# Altium PCB 电解模块主控板_V1.1_ZM_20210918.PcbDoc (part 1 of 2) (continued)
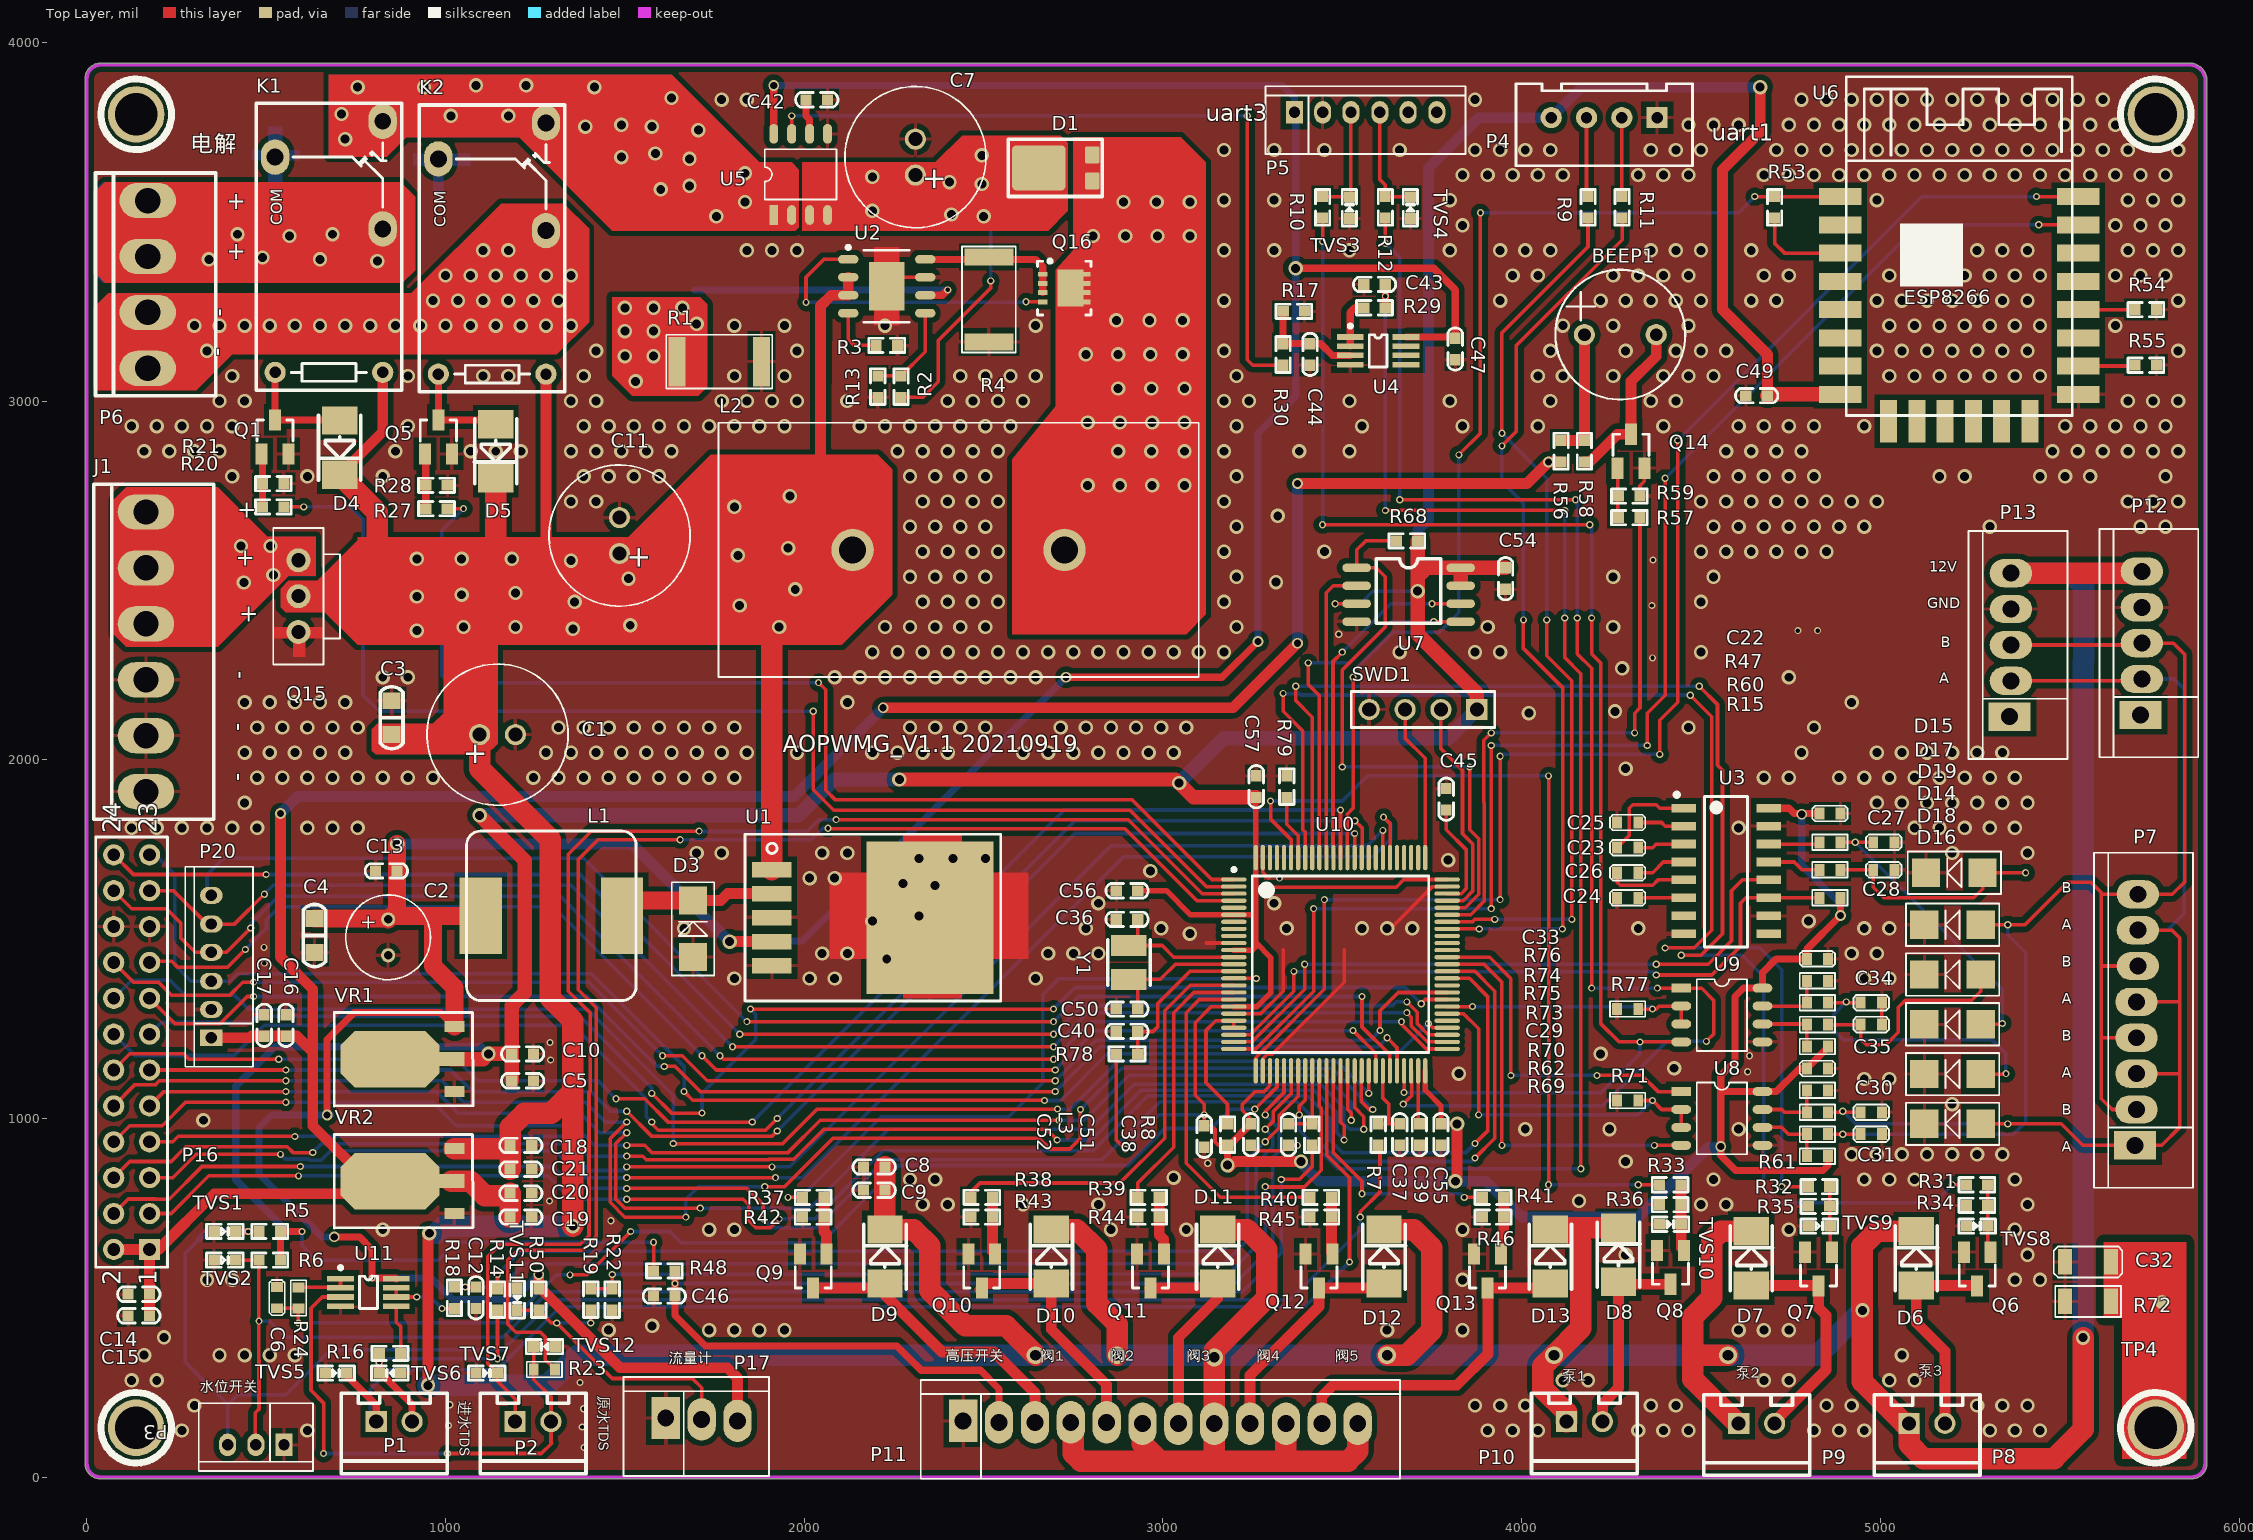
[diagram p0: Top Layer view]
## Footprints (in the part's own frame and the unit in brackets; to place one, negate y for a bottom-side part, rotate by r counter-clockwise, add the part's x,y. Pads: shape width x height; smd on the part's side, far side on the other; paste and mask are expansions set on the pad)
3X2.54MMZ2 [mm]
  rect 2x3 hole 1.2: 1(0,0)
  oval 2x3 hole 1.2: 2(2.54,-0.1) 3(5.08,-0.2)
  silkscreen extent -3,-4.1 7.31,2.9
3X2MMZ [mm]
  rect 1.2x1.6 hole 0.8: 1(0,0)
  oval 1.2x1.6 hole 0.8: 2(2,0) 3(4,0)
  silkscreen extent -2.05,-2.95 6.05,1.85
5X2.54MMZ [mm]
  rect 2x3 hole 1.2: 1(0,0)
  oval 2x3 hole 1.2: 2(2.54,-0.1) 3(5.08,-0.1) 4(7.62,-0.1) 5(10.16,-0.1)
  silkscreen extent -3,-4.1 13.16,2.9
6*8 [mm]
  round 1 hole 0.6: 1(1.27,0) 2(-1.27,0)
  silkscreen extent -3,-3 3,3
6X2MMZ [mm]
  rect 1.2x1.6 hole 0.8: 1(0,0)
  oval 1.2x1.6 hole 0.8: 2(2,0) 3(4,0) 4(6.05,0) 5(8.05,0) 6(10.08,0)
  silkscreen extent -2.05,-2.95 12.12,1.85
8X2.54MMZ [mm]
  rect 2x3 hole 1.2: 1(0,0)
  oval 2x3 hole 1.2: 2(2.54,-0.1) 3(5.08,-0.1) 4(7.62,-0.1) 5(10.16,-0.1) 6(12.7,-0.2) 7(15.24,-0.2) 8(17.78,-0.2)
  silkscreen extent -3,-4.1 20.73,2.9
10*16 [mm]
  round 1.5 hole 1: 1(1.27,0) 2(-1.27,0)
  silkscreen extent -5,-5 5,5
12X2.54MMZ [mm]
  rect 2x3 hole 1.2: 1(0,0)
  oval 2x3 hole 1.2: 2(2.54,-0.1) 3(5.08,-0.1) 4(7.62,-0.1) 5(10.16,-0.1) 6(12.7,-0.2) 7(15.24,-0.2) 8(17.78,-0.2) 9(20.32,-0.2) 10(22.86,-0.2) 11(25.4,-0.2) 12(27.94,-0.2)
  silkscreen extent -3,-4.1 30.99,2.9
0603C [mm]
  rect 0.7x0.85 smd: 1(0,0) 2(1.5,0)
  silkscreen extent -0.5,-0.55 2,0.55
0603R [mm]
  rect 0.7x0.85 smd: 1(0,0) 2(1.5,0)
  silkscreen extent -0.5,-0.55 2,0.55
1206C [mm]
  rect 1x1.8 smd: 1(0,0) 2(3.25,0)
  silkscreen extent -0.8,-1.1 4.05,1.1
1206r [mm]
  rect 1x1.8 smd: 1(0,0) 2(3.25,0)
  silkscreen extent -0.7,-1.1 3.95,1.1
2512R [mm]
  rect 1.2x3.5 smd: 1(0,0) 2(6,0)
  silkscreen extent -0.75,-1.9 6.75,1.9
2512r [mm]
  rect 1.2x3.5 smd: 1(0,0) 2(6,0)
  silkscreen extent -0.75,-1.9 6.75,1.9
BEEP-9.5X5.5 [mm]
  round 1.5 hole 0.9: 1(-2.54,0) 2(2.54,0)
  silkscreen extent -4.6,-4.6 4.6,4.6
CDRH-127 [mm]
  rect 3x5.4 smd: 1(-5,0) 2(5,0)
  silkscreen extent -6,-6 6,6, body extent -6,-6 6,6, height 8.2
DFN3*3-8 [mm]
  rect 0.35x0.65 smd: 1(0.975,-1.525) 2(-0.975,1.525) 2(-0.325,1.525) 2(0.325,1.525) 2(0.975,1.525) 3(-0.975,-1.525) 3(-0.325,-1.525) 3(0.325,-1.525)
  rect 2.6x1.84 smd: 2(0,0.45)
  silkscreen extent -2.03,-1.9 1.9,1.9, body extent -1.75,-1.75 1.75,1.75, height 0.8
DO-214-AC [mm]
  rect 2x2.5 smd: 1(-1.915,0) 2(1.915,0)
  silkscreen extent -2.3,-1.52 2.3,1.5, body extent -2.3,-1.35 2.3,1.35, height 2.4
ESP-12F [mm]
  rect 3x1.2 smd: 1(0.203,0) 2(0.203,-2) 3(0.203,-4) 4(0.203,-6) 5(0.203,-8) 6(0.203,-10) 7(0.203,-12) 8(0.203,-14) 15(17.069,-14) 16(17.069,-12) 17(17.069,-10) 18(17.069,-8) 19(17.069,-6) 20(17.069,-4) 21(17.069,-2) 22(17.069,0)
  rect 1.2x3 smd: 9(3.632,-15.9) 10(5.632,-15.9) 11(7.632,-15.9) 12(9.632,-15.9) 13(11.632,-15.9) 14(13.632,-15.9)
  silkscreen extent 0.63,-15.49 16.64,8.49
G5Q-14 [mm]
  oval 2.5x2 hole 1.2: 1(1.27,-3.81) 2(8.89,-3.81) 3(6.35,3.81)
  round 1.5 hole 0.8: 4(-8.89,3.81) 5(-8.89,-3.81)
  silkscreen extent -10.15,-5.15 10.17,5.15, body extent -9.9,-4.95 9.9,4.95, height 15.91
HDR2X12 [mm] "Connector; Header; 12x2 Position"
  rect 1.5x1.5 hole 0.9: 1(0,0)
  round 1.5 hole 0.9: 2(0,2.54) 3(2.54,0) 4(2.54,2.54) 5(5.08,0) 6(5.08,2.54) 7(7.62,0) 8(7.62,2.54) 9(10.16,0) 10(10.16,2.54) 11(12.7,0) 12(12.7,2.54) 13(15.24,0) 14(15.24,2.54) 15(17.78,0) 16(17.78,2.54) 17(20.32,0) 18(20.32,2.54) 19(22.86,0) 20(22.86,2.54) 21(25.4,0) 22(25.4,2.54) 23(27.94,0) 24(27.94,2.54)
  silkscreen extent -1.27,-1.27 29.21,3.81
INDUCTOR_34*18 [mm]
  round 3 hole 1.9: 1(0,0) 2(15,0)
  silkscreen extent -9.5,-9 24.5,9
MSOP-8 [mm]
  rect 1.9x0.4 smd: 1(-1.975,0.975) 2(-1.975,0.325) 3(-1.975,-0.325) 4(-1.975,-0.975) 5(1.975,-0.975) 6(1.975,-0.325) 7(1.975,0.325) 8(1.975,0.975)
  silkscreen extent -2.1,-1.14 0.64,1.87, body extent -2.45,-1.5 2.45,1.5, height 1.15
SIP-2A [mm]
  rect 1.5x1.5 hole 1: 1(-1.27,0)
  round 1.5 hole 1: 2(1.27,0)
  silkscreen extent -3.75,-3.68 3.75,2.02, body extent -3.7,-3.81 3.7,2.29, height 7.5
SIP-4 [mm]
  rect 1.5x1.5 hole 1: 1(-3.81,0)
  round 1.5 hole 1: 2(-1.27,0) 3(1.27,0) 4(3.81,0)
  silkscreen extent -5.08,-1.27 5.08,1.27
SMA [mm]
  rect 2x2 smd: 1(0,0) 2(4,0)
  silkscreen extent -1.3,-1.5 5.3,1.5
SMD-0603 [mil]
  rect 31.5x30 smd: 1(-30,0) 2(30,0)
  silkscreen extent -50,-20 50,20, body extent -31,-16 31,16, height 18
SMD-0603C [mil] "贴片电容"
  rect 31.5x30 smd: 1(-30,0) 2(30,0)
  silkscreen extent -59,-20 59,20, body extent -31,-16 31,16
SMD-0805C [mm]
  rect 1.2x1.27 smd: 1(-1.2,0) 2(1.2,0)
  silkscreen extent -2.2,-0.8 2.2,0.8, body extent -1.42,-0.67 1.58,0.73, height 0.93
SO-8 [mil]
  rect 55x25 smd: 1(0,0)
  oval 55x25 smd: 2(0,-50) 3(0,-100) 4(0,-150) 5(226.38,-150) 6(226.38,-100) 7(226.38,-50) 8(226.38,0)
  silkscreen extent 43,-175 183,25
SO-8W [mil]
  oval 80x24 smd: 1(0,0) 2(0,-50) 3(0,-100) 4(0,-150) 5(290,-150) 6(290,-100) 7(290,-50) 8(290,0)
  silkscreen extent 55,-155 235,25
SO-16Z [mil]
  rect 68x24 smd: 1(0,0) 2(0,-50) 3(0,-100) 4(0,-150) 5(0,-200) 6(0,-250) 7(0,-300) 8(0,-350) 9(237.11,-350) 10(237.11,-300) 11(237.11,-250) 12(237.11,-200) 13(237.11,-150) 14(237.11,-100) 15(237.11,-50) 16(237.11,0)
  silkscreen extent -19,-387 178,38
SOD-523 [mil]
  rect 31.5x30 smd: 1(-30,0) 2(30,0)
  silkscreen extent -51,-20 51,20, body extent -31,-16 31,16, height 26
SOP127P600X265_HS-9N [mm] "SOP, 8-Leads, Body 4.90x3.90mm, Pitch 1.27mm, Thermal Pad 3.40x2.52mm, IPC Medium Density"
  oval 1.45x0.6 smd: 1(-2.725,1.905) 2(-2.725,0.635) 3(-2.725,-0.635) 4(-2.725,-1.905) 5(2.725,-1.905) 6(2.725,-0.635) 7(2.725,0.635) 8(2.725,1.905)
  rect 2.52x3.4 smd: 9(0,0)
  silkscreen extent -2.85,-2.55 1.6,2.88, body extent -2,-2.55 2,2.55, height 2.65
SOT223 [mm]
  rect 0.8x1.4 smd: 1(0,0) 3(4.6,0)
  rect 1x1.854 smd: 2(2.3,0.227)
  oct 4x7 smd: 4(2.286,4.572)
  silkscreen extent -1.02,-1.3 5.59,8.51
SOT-23 [mm]
  rect 0.85x1.5 smd: 1(-0.95,-1.2) 2(0.95,-1.2) 3(0,1.2)
  silkscreen extent -1.27,-0.3 1.28,1.2, body extent -1.45,-1.4 1.45,1.4, height 1.2
STM-LQFP100_N [mm] "Thin QFP, 100-Leads, Body 14x14mm, Pitch 0.5mm, IPC Medium Density"
  oval 1.8x0.3 smd: 1(-7.55,6) 2(-7.55,5.5) 3(-7.55,5) 4(-7.55,4.5) 5(-7.55,4) 6(-7.55,3.5) 7(-7.55,3) 8(-7.55,2.5) 9(-7.55,2) 10(-7.55,1.5) 11(-7.55,1) 12(-7.55,0.5) 13(-7.55,0) 14(-7.55,-0.5) 15(-7.55,-1) 16(-7.55,-1.5) 17(-7.55,-2) 18(-7.55,-2.5) 19(-7.55,-3) 20(-7.55,-3.5) 21(-7.55,-4) 22(-7.55,-4.5) 23(-7.55,-5) 24(-7.55,-5.5) 25(-7.55,-6) 51(7.55,-6) 52(7.55,-5.5) 53(7.55,-5) 54(7.55,-4.5) 55(7.55,-4) 56(7.55,-3.5) 57(7.55,-3) 58(7.55,-2.5) 59(7.55,-2) 60(7.55,-1.5) 61(7.55,-1) 62(7.55,-0.5) 63(7.55,0) 64(7.55,0.5) 65(7.55,1) 66(7.55,1.5) 67(7.55,2) 68(7.55,2.5) 69(7.55,3) 70(7.55,3.5) 71(7.55,4) 72(7.55,4.5) 73(7.55,5) 74(7.55,5.5) 75(7.55,6)
  oval 0.3x1.8 smd: 26(-6,-7.55) 27(-5.5,-7.55) 28(-5,-7.55) 29(-4.5,-7.55) 30(-4,-7.55) 31(-3.5,-7.55) 32(-3,-7.55) 33(-2.5,-7.55) 34(-2,-7.55) 35(-1.5,-7.55) 36(-1,-7.55) 37(-0.5,-7.55) 38(0,-7.55) 39(0.5,-7.55) 40(1,-7.55) 41(1.5,-7.55) 42(2,-7.55) 43(2.5,-7.55) 44(3,-7.55) 45(3.5,-7.55) 46(4,-7.55) 47(4.5,-7.55) 48(5,-7.55) 49(5.5,-7.55) 50(6,-7.55) 76(6,7.55) 77(5.5,7.55) 78(5,7.55) 79(4.5,7.55) 80(4,7.55) 81(3.5,7.55) 82(3,7.55) 83(2.5,7.55) 84(2,7.55) 85(1.5,7.55) 86(1,7.55) 87(0.5,7.55) 88(0,7.55) 89(-0.5,7.55) 90(-1,7.55) 91(-1.5,7.55) 92(-2,7.55) 93(-2.5,7.55) 94(-3,7.55) 95(-3.5,7.55) 96(-4,7.55) 97(-4.5,7.55) 98(-5,7.55) 99(-5.5,7.55) 100(-6,7.55)
  silkscreen extent -7.67,-6.25 6.25,6.82, body extent -7,-7 7,7, height 1.6
TO220 [mm]
  round 1.7 hole 1: 1(0,0) 2(2.54,0) 3(5.08,0)
  silkscreen extent -2.29,-2.95 7.37,1.78
TO227 [mm] "DPAK"
  rrect20% 1.2x1 smd: 1(-0.92,-3.25) 1(0.92,-3.25)
  rrect20% 3.2x3.8 smd: 2(0,0.533)
  silkscreen extent -2.02,-3.96 2.04,2.69
TO-263-5 [mm]
  rect 1.1x2.8 smd: 1(-3.4,0) 2(-1.7,0) 3(0,0) 4(1.7,0) 5(3.4,0)
  rect 10.8x9 smd: 6(0,11.2)
  silkscreen extent -5.9,-1.9 5.9,16.2, body extent -5.08,-0.32 5.08,14.32, height 4.57
tpd [mm]
  round 1 smd: 1(0,0)
VH-AW-3.96*4P [mm]
  oval 2.5x4 hole 1.8: 1(-5.94,0) 2(-1.98,0) 3(1.98,0) 4(5.94,0)
  silkscreen extent -7.89,-4.8 7.89,3.7, body extent -7.89,-4.7 7.89,3.8, height 11.2
VH-AW-3.96*6P [mm]
  oval 2.5x4 hole 1.8: 1(-5.94,0) 2(-1.98,0) 3(1.98,0) 4(5.94,0) 5(9.9,0) 6(13.86,0)
  silkscreen extent -7.89,-4.8 15.82,3.7
XH2.54-4A [mm]
  rect 1.5x1.5 hole 0.8: 1(-3.75,0)
  round 1.5 hole 0.8: 2(-1.25,0) 3(1.25,0) 4(3.75,0)
  silkscreen extent -6.25,-2.4 6.25,3.4, body extent -6.2,-2.35 6.2,3.4, height 7.1
XTAL-3225-2 [mm]
  rect 1.5x2.5 smd: 1(-1.2,0) 2(1.2,0)
  silkscreen extent -1.6,-1.5 1.6,1.5, body extent -1.6,-1.25 1.6,1.25, height 0.9

## Part data
C1 C2 C7 C11: library part CAP2, "电解电容"
C3 C4 C6 C8 C9 C10 C12 C13 C43 C44 C46: library part CAP4, "贴片电容 10%"
C5 C14 C15 C16 C17 C18 C19 C20 C21 C37 C38 C39 C40 C45 C49 C51 C52 C54 C55 C56 C57: library part CAP4, "贴片电容 20%"
C22 C23 C24 C25 C26 C27 C28 C29 C30 C31 C32 C33 C34 C35: library part CAP
C36 C50: library part CAP4, "贴片电容 5%"
C42: library part C, "贴片电容 10%"
C47: library part "0805 22uF (226) 20% 25V", "贴片电容 10%"
D1: library part DIODE2, "肖特基二极管"
D3: library part DIODE
D4 D5 D6 D7 D8 D9 D10 D11 D12 D13: library part DIODE2, "贴片二极管"
D14 D15 D16 D17 D18 D19: library part D_ESD
K1 K2: library part JDQ1, "5V 继电器"
L1: library part IND
L2: library part Inductor1, "10uH 1A"
L3: library part CIZHU1, "磁珠电感 100R 100MHz"
P1 P2: library part SIP-2, "XH2.54 2P 直插"
P3 P17: library part HDR1*3
P4: library part HDR1*4
P5 P20: "Header, 6-Pin"
P6: "3.96 4P 直插"
P7: "Header, 8-Pin"
P8 P9 P10: "XH2.54 2P 立贴"
P11: "Header, 12-Pin"
P12 P13: "Header, 5-Pin"
P16: "Header, 12-Pin, Dual row"
Q1 Q5 Q9 Q10 Q11 Q12 Q13: library part NPN-1, "三极管"
Q6 Q7 Q8 Q15 Q16: library part "MOSFET N", "MOSFET N"
Q14: library part NPN-1, "NPN"
R1 R2 R3 R4 R13: library part R, "贴片电阻 5%"
R5 R6 R7 R8 R14 R16 R17 R23 R30: library part RES0, "贴片电阻 1%"
R9 R10 R11 R12 R20 R21 R27 R28 R53 R54 R55 R68 R78 R79: library part RES2, "贴片电阻 5%"
R15 R47 R60 R61 R62 R69 R70 R71 R72 R73 R74 R75 R76 R77: library part RES
R18 R24 R29 R56 R57 R58 R59: library part RES0, "贴片电阻 5%"
R19 R22 R50: library part "0603 10KΩ (1002) 1%", "贴片电阻 5%"
R31 R32 R33 R34 R35 R36 R37 R38 R39 R40 R41 R42 R43 R44 R45 R46 R48: library part RES-SOP, "贴片电阻 5%"
SWD1: library part SIP-4, "ISP 下载"
TVS1 TVS2 TVS3 TVS4 TVS5 TVS6 TVS7 TVS8 TVS9 TVS10 TVS12: library part TVS-1, "TVS"
TVS11: library part TVS-1, "TVS 5.0V"
U1: library part LM2596
U4: library part LM358, "运算放大器"
U5: library part ACS712, "HALL 20A 电流传感器"
U6: library part ESP8266
U7: library part W25Q128FV
U10: library part STM32F405VGTx
U11: library part LM358, "运放"
VR1: library part LM1117, "三端稳压器"
VR2: library part LM1117, "三端稳压器 （耐压20V）"
Y1: library part XTAL, "3225 贴片晶振"

## Free pads (board coordinates)
  round 157.48 hole 118.11: 0(137.8,137.8) 0(137.8,3799.21) 0(5767.72,137.8) 0(5767.72,3799.21)

## Via types
v1: diameter 40, hole 25, Top Layer to Bottom Layer, tented both sides, 833 vias
v2: diameter 20, hole 12, Top Layer to Bottom Layer, tented both sides, 240 vias
v3: diameter 30, hole 20, Top Layer to Bottom Layer, tented both sides, 14 vias
v4: diameter 50, hole 30, Top Layer to Bottom Layer, tented both sides, 6 vias

## Nets (pads, with @x,y where several pads share a name; then routed paths per layer and width w, separated by ;. In a path a pad name is that pad's centre, name@x,y a point inside that pad or via, vN(x,y) a via of type N, cw(c..) or ccw(c..) an arc to the next point about the centre after c; other vN are vias at no path point)
3.3V: C5.2 C10.2 C22.1 C29.1 C33.1 C49.2 C51.2 C52.2 C54.1 C55.2 C56.2 C57.2 L3.1 P4.4 R5.1 R6.1 R15.1 R48.2 R61.2 R68.1 R73.2 R78.2 SWD1.1 U3.16 U6.8 U7.3 U7.7 U7.8 U8.8 U9.8 U10.6 U10.11 U10.19 U10.28 U10.50 U10.75 U10.100 VR1.2 VR1.4 | length 18243.5
  Top Layer w10: R48.2@1580,575 v2(1580,655) ; R78.2@2870,1180 2870,940 v2(2895,915) ; L3.1@3180,925 3155,925 3145,935 3145,970 3135,980 C52.2@3115,980 v2(3115,1010) 3115,1040 3090,1065 3090,1266.89 3135,1311.89 U10.19@3197.76,1311.89 ; C51.2@3245,985 3245,999 3221,1023 3221,1039 3257,1075 3282,1075 3298.15,1091.15 U10.28@3298.15,1132.76 ; 3258.78,1645 3650,1645 3671.22,1666.22 U10.75@3792.24,1666.22 ; v2(3480,2435) U7.3@3540,2435
  Top Layer w15: C56.2@2930,1635 3010,1635 3077.2,1567.8 U10.6@3197.76,1567.8 3247.2,1567.8 3258.78,1556.22 ; U10.19@3197.76,1311.89 3261.89,1311.89 3300,1350 3300,1448.78 3258.78,1490 ; U10.11@3197.76,1469.37 3249.37,1469.37 3258.78,1478.78 3258.78,1490 ; C57.2@3260,1895 3258.78,1893.78 U10.100@3258.78,1727.24 3258.78,1645 3258.78,1556.22 ; U10.50@3731.22,1132.76 3731.22,1078.78 3775,1035 C55.2@3775,985 v1(3820,985) ; 3258.78,1490 3258.78,1556.22
  Top Layer w20: R6.1@540,605 R5.1@540,685 v2(600,685) ; v1(3180,870) L3.1@3180,925 3185,925 C51.2@3245,985 ; U3.16@4688.61,1865 4745,1865 4760,1850 C22.1@4830,1850 ; R61.2@4854.06,895 4854.06,869.06 4840,855 4596.7,855 4555,896.7 4555,1075 ; R73.2@4854.06,1200.56 4854.06,1198.5 C29.1@4795,1139.44 4774.44,1139.44 4710,1075 U8.8@4671.38,1075 4555,1075 ; R15.1@4889.06,1615 v3(4889.06,1566.06) 4795,1472 C33.1@4795,1445 4710,1445 4671.38,1406.38 U9.8@4671.38,1363.34 4618.34,1363.34 4595,1340 4595,1159.91 4555,1119.91 4555,1075
  Top Layer w30: v1(3180,870) 3185,865 3200,880 v1(3385,880) ; v1(3815,825) 3820,830 v1(3820,985) ; v1(4665,3875) 4665,3750 4560,3645 4560,3255 4685,3130 C49.2@4685,3015
  Top Layer w40: VR1.2@1016.06,1165.55 1105.55,1165.55 v1(1120,1180) C10.2@1185,1180 ; v1(1095,1845) 1221,1719 1221,1351 1185,1315 C10.2@1185,1180 ; C5.2@1185,1105 C10.2@1185,1180 ; v1(2265,1945) 3035,1945 v1(3045,1935) 3085,1895 C57.2@3260,1895 ; R68.1@3710,2610 v1(3710,2470) 3710,2350 3875,2185 SWD1.1@3875,2140 ; 3720,2520 3735,2535 U7.8@3830,2535 ; U7.7@3830,2495 U7.8@3830,2535 ; C54.1@3955,2535 U7.8@3830,2535 ; C49.2@4685,3015 4688.82,3018.82 U6.8@4888,3018.82
  Bottom Layer w10: v2(600,685) 600,645 640,605 980,605 1030,655 v2(1580,655) ; v2(2895,915) 2990,1010 v2(3115,1010) ; v2(3480,2435) 3550,2435 3585,2470 v1(3710,2470)
  Bottom Layer w20: v2(600,685) 558.95,685 415,828.95 415,1090 525,1200 1100,1200 v1(1120,1180) ; v3(4781,1848) 4781,1706 4889.06,1597.94 v3(4889.06,1566.06)
  Bottom Layer w30: v1@3385,875 v1(3385,880) ; v1@3390,870 3435,825 v1(3815,825) 3900,825 4000,725 4326,725 4520,919 v3@4553,919 ; v1(3710,2470) 3710,2640 3740,2670 3740,3650 3880,3790 P4.4@4082.36,3790 4167.36,3875 v1(4665,3875)
  Bottom Layer w40: v1(1095,1845) 1984,1845 2084,1945 v1(2265,1945) ; v1(3045,1935) 3170,2060 3795,2060 SWD1.1@3875,2140
  other v3: 4555,922
ADC_ELE: C43.2 R29.1 U10.33 | length 4017.9
  Top Layer w10: v2(3380,1010) 3380,1035 3396.57,1051.57 U10.33@3396.57,1132.76 ; v2(3620,2695) v2(4120,2695) ; v2(4120,2395) 4120,2285 4165,2240 v2(4165,860)
  Top Layer w20: R29.1@3620,3260 v2(3620,3292.5) C43.2@3620,3325
  Bottom Layer w10: v2(3380,1010) 3380,967.37 3487.37,860 v2(4165,860) ; v2(3620,2695) v2(3620,3292.5) ; v2(4120,2395) v2(4120,2695)
CVALUE1O2: D9.1 P11.3 Q9.3 | length 849.5
  Top Layer w30: Q9.3@2025,527.76 2213.15,527.76 D9.1@2225,539.61 2225,508 2384,349 2529,349 2643,235 P11.3@2643,153.06
CVALUE2O2: D10.1 P11.5 Q10.3 | length 656.2
  Top Layer w30: Q10.3@2490,522.76 Q10.3@2495,527.76 2506.85,539.61 D10.1@2688.75,539.61 2688.75,412.25 2843,258 P11.5@2843,153.06
CVALUE3O2: D11.1 P11.7 Q11.3 | length 649.3
  Top Layer w30: P11.7@3043,149.13 3043,389 3152.5,498.5 D11.1@3152.5,539.61 3140.65,527.76 Q11.3@2965,527.76 ; Q11.3@2965,527.76 2965,519 2963.75,517.75 2963.75,526.51 Q11.3@2965,527.76
CVALUE4O2: D12.1 P11.9 Q12.3 | length 644.3
  Top Layer w30: P11.9@3243,149.13 3243,284 3435,476 Q12.3@3435,527.76 3604.4,527.76 D12.1@3616.25,539.61
CVALUE5O2: D13.1 P11.11 Q13.3 | length 952.9
  Top Layer w30: P11.11@3443,149.13 3443,224.8 3474.2,256 3819,256 3906.25,343.25 3906.25,526.51 Q13.3@3905,527.76 4068.15,527.76 D13.1@4080,539.61
EN1_485: R71.1 U8.2 U8.3 U10.56 | length 1027.2
  Top Layer w10: U10.56@3792.24,1292.2 3837.8,1292.2 3880,1250 v2(3880,1010) ; R71.1@4325,1050 v2(4365,1050) 4390,1025 U8.2@4445,1025 U8.3@4445,975
  Bottom Layer w10: v2(3880,1010) 4325,1010 v2(4365,1050)
EN2_485: R77.1 U9.2 U9.3 U10.57 | length 749.1
  Top Layer w10: U10.57@3792.24,1311.89 v2(3863.11,1311.89) ; R77.1@4325,1305 v2(4365,1305) 4375,1305 4383.34,1313.34 U9.2@4445,1313.34 U9.3@4445,1263.34
  Bottom Layer w10: v2(3863.11,1311.89) 4358.11,1311.89 v2(4365,1305)
GND: C1.2 C2.2 C3.1 C4.1 C5.1 C6.1 C7.2 C8.1 C9.1 C10.1 C11.2 C12.1 C13.1 C14.1 C15.1 C16.1 C17.1 C18.1 C19.1 C20.1 C21.1 C22.2 C24.2 C25.2 C27.2 C28.2 C29.2 C30.2 C31.2 C32.1 C33.2 C34.2 C35.2 C36.2 C37.1 C38.1 C39.1 C40.1 C42.2 C43.1 C44.2 C45.1 C46.1 C47.1 C49.1 C50.2 C51.1 C52.1 C54.2 C55.1 C56.1 C57.1 D3.1 D14.2 D15.2 D16.2 D17.2 D18.2 D19.2 J1.1 J1.2 J1.3 P3.1 P4.1 P5.2 P11.1 P12.4 P13.4 P16.19 P16.20 P17.1 P20.2 Q1.2 Q5.2 Q6.2 Q7.2 Q8.2 Q9.2 Q10.2 Q11.2 Q12.2 Q13.2 Q14.2 Q15.1 R1.2 R3.2 R4.2 R13.2 R17.1 R21.1 R22.1 R28.1 R34.2 R35.2 R36.2 R42.2 R43.2 R44.2 R45.2 R46.2 R54.1 R55.2 R59.2 R70.2 R71.2 R72.1 R76.2 R77.2 R79.1 SWD1.4 TVS1.1 TVS2.1 TVS3.1 TVS4.1 TVS5.1 TVS6.1 TVS7.1 TVS8.1 TVS9.1 TVS10.1 TVS11.1 TVS12.1 U1.3 U1.5 U1.6 U2.7 U2.9 U3.8 U3.10 U3.15 U4.4 U5.5 U6.15 U7.4 U8.5 U9.5 U10.10 U10.20 U10.27 U10.74 U10.99 U11.4 VR1.1 VR2.1 | length 1453.3
  Top Layer w10: U2.9@2230,3320 2255,3345 U2.7@2337.28,3345 ; 3120.94,1489.06 U10.10@3197.76,1489.06 ; U10.20@3197.76,1292.2 3272.2,1292.2 3335,1355 3335,1470 ; 3260,910 3335,910 C38.1@3350,925 v2(3375,925) ; U10.27@3278.46,1132.76 3278.46,1166.51 3291.15,1179.19 3304.19,1179.19 3505,1380 3505,1470 ; U10.99@3278.46,1727.24 3278.46,1686.54 3295,1670 ; v1@3630,1525 3751.54,1646.54 U10.74@3792.24,1646.54 ; R59.2@4330,2735 4330,2764 4342,2776 4342,2812.35 Q14.2@4342.4,2812.76 ; C35.2@5004.06,1261.67 C34.2@5004.06,1322.78
  other v1: 265,130 615,130 3905,130 3975,130 4045,130 4325,130 4395,130 4465,130 4815,130 4885,130 4955,130 5305,130 5375,130 5445,130 300,200 3870,200 3940,200 4010,200 4360,200 4430,200 4850,200 4920,200 5270,200 5340,200 5410,200 125,270 195,270 4115,270 4185,270 4675,270 4745,270 5025,270 5095,270 160,340 370,340 440,340 510,340 580,340 5060,340 215,390 1455,410 1735,410 1805,410 1875,410 1945,410 3625,410 3835,410 4605,410 4675,410 4745,410 1576,422 335,550 405,550 3835,550 5375,550 5445,550 4290,620 5410,620 825,690 1735,690 1805,690 2855,690 3065,690 3835,690 4745,690 5375,690 2330,760 2400,760 2610,760 2820,760 4500,760 4570,760 5410,760 4160,770 2295,830 2365,830 4535,830 4955,830 5025,830 5095,830 5375,830 3030,835 4290,880 4920,900 4990,900 5060,900 5130,900 5200,900 5270,900 5340,900 4010,970 4245,970 4605,970 325,995 5200,1040 4955,1110 5025,1110 3825,1125 4425,1140 4220,1180 1805,1390 2015,1390 2085,1390 2645,1390 4955,1390 5025,1390 2230,1445 2050,1460 2120,1460 2680,1460 2750,1460 2820,1460 4920,1460 4990,1460 3075,1515 1665,1530 2785,1530 2995,1530 3345,1530 3555,1530 3625,1530 3695,1530 4325,1530 4955,1530 5025,1530 2190,1550 4800,1550 2320,1565 2820,1600 3310,1600 2365,1650 2275,1655 2015,1670 2085,1670 2965,1690 3795,1720 2320,1725 2415,1725 2505,1725 1700,1740 1770,1740 2050,1740 2120,1740 5200,1740 5410,1740 125,1810 195,1810 265,1810 335,1810 405,1810 475,1810 615,1810 685,1810 755,1810 4605,1810 5095,1810 5165,1810 5235,1810 5305,1810 5375,1810 440,1880 4990,1880 5060,1880 5130,1880 5200,1880 5270,1880 5340,1880 5410,1880 475,1950 545,1950 615,1950 685,1950 755,1950 825,1950 895,1950 965,1950 1245,1950 1315,1950 1385,1950 1455,1950 1525,1950 1595,1950 1665,1950 1735,1950 1805,1950 4675,1950 4745,1950 4885,1950 4955,1950 5025,1950 5095,1950 5165,1950 5235,1950 5305,1950 5375,1950 4290,1975 440,2020 510,2020 580,2020 650,2020 720,2020 1280,2020 1350,2020 1420,2020 1490,2020 1560,2020 1630,2020 1700,2020 1770,2020 1840,2020 1980,2020 2190,2020 2260,2020 2330,2020 2400,2020 2610,2020 2680,2020 2750,2020 2820,2020 2890,2020 2960,2020 3030,2020 4780,2020 4990,2020 5060,2020 5130,2020 5200,2020 5270,2020 5340,2020 475,2090 545,2090 615,2090 685,2090 755,2090 1315,2090 1385,2090 1455,2090 1525,2090 1595,2090 1665,2090 1735,2090 1805,2090 2295,2090 2365,2090 2435,2090 2505,2090 2715,2090 2785,2090 2855,2090 2925,2090 2995,2090 3065,2090 4465,2090 4815,2090 4020,2130 4260,2135 440,2160 510,2160 580,2160 650,2160 720,2160 2120,2160 4920,2160 825,2230 895,2230 2085,2230 2155,2230 2225,2230 2295,2230 2365,2230 2435,2230 2505,2230 2575,2230 2645,2230 4745,2230 4280,2255 2190,2300 2260,2300 2330,2300 2400,2300 2470,2300 2540,2300 2610,2300 2680,2300 2750,2300 2820,2300 2890,2300 2960,2300 3030,2300 3100,2300 3170,2300 3660,2300 3870,2300 3940,2300 4500,2300 2225,2370 2295,2370 2365,2370 2435,2370 2505,2370 3205,2370 3905,2370 4255,2370 2330,2440 2400,2440 2470,2440 2540,2440 3170,2440 4500,2440 3315,2495 2295,2510 2365,2510 2435,2510 2505,2510 3205,2510 4255,2510 4535,2510 2330,2580 2400,2580 2470,2580 2540,2580 3170,2580 3450,2580 4500,2580 4570,2580 4640,2580 4710,2580 4780,2580 4850,2580 2295,2650 2365,2650 2435,2650 2505,2650 3205,2650 4535,2650 4605,2650 4675,2650 4745,2650 4815,2650 4885,2650 4955,2650 5305,2650 5725,2650 5795,2650 3320,2680 1350,2720 1420,2720 2330,2720 2400,2720 2470,2720 2540,2720 3170,2720 4500,2720 4570,2720 4640,2720 4710,2720 4780,2720 4850,2720 4920,2720 4990,2720 5690,2720 5760,2720 5830,2720 405,2790 615,2790 825,2790 1385,2790 1455,2790 1525,2790 1595,2790 2295,2790 2365,2790 2435,2790 2505,2790 3205,2790 4535,2790 4605,2790 4675,2790 4745,2790 4815,2790 5165,2790 5235,2790 5445,2790 5515,2790 5585,2790 5795,2790 160,2860 230,2860 300,2860 370,2860 860,2860 1070,2860 1140,2860 1210,2860 1350,2860 1420,2860 1490,2860 1560,2860 1630,2860 2260,2860 2330,2860 2400,2860 2470,2860 2540,2860 3170,2860 3380,2860 3520,2860 4570,2860 4640,2860 4710,2860 4780,2860 5480,2860 5550,2860 5620,2860 5690,2860 5760,2860 5830,2860 125,2930 195,2930 265,2930 335,2930 405,2930 895,2930 1385,2930 1455,2930 1525,2930 1595,2930 1665,2930 1735,2930 1805,2930 1875,2930 1945,2930 2155,2930 2225,2930 2295,2930 2365,2930 2435,2930 2505,2930 2575,2930 3205,2930 3555,2930 3835,2930 4045,2930 4395,2930 4605,2930 4675,2930 4745,2930 4815,2930 4955,2930 5515,2930 5585,2930 5655,2930 5725,2930 5795,2930 370,3000 440,3000 1350,3000 1420,3000 1770,3000 1840,3000 1910,3000 1980,3000 2120,3000 2400,3000 2470,3000 2540,3000 2610,3000 3170,3000 3240,3000 3520,3000 3800,3000 4080,3000 4360,3000 4430,3000 5690,3000 5760,3000 5830,3000 405,3070 895,3070 1105,3070 1175,3070 1385,3070 1805,3070 1945,3070 2435,3070 2505,3070 2575,3070 2645,3070 3205,3070 4045,3070 4115,3070 4255,3070 4395,3070 4465,3070 4535,3070 5025,3070 5095,3070 5165,3070 5235,3070 5305,3070 5375,3070 5445,3070 1420,3140 1980,3140 3170,3140 4080,3140 4290,3140 4430,3140 4500,3140 4570,3140 4990,3140 5060,3140 5130,3140 5200,3140 5270,3140 5340,3140 5410,3140 5830,3140 1805,3210 1945,3210 2225,3210 2645,3210 4115,3210 4255,3210 4465,3210 5025,3210 5095,3210 5165,3210 5235,3210 5305,3210 5375,3210 5445,3210 5655,3210 3170,3280 3940,3280 4220,3280 4290,3280 4360,3280 4430,3280 4500,3280 4640,3280 4710,3280 4990,3280 5060,3280 5130,3280 5200,3280 5270,3280 5340,3280 5410,3280 5830,3280 3975,3350 4045,3350 4255,3350 4325,3350 4395,3350 4465,3350 4675,3350 4745,3350 5025,3350 5095,3350 5165,3350 5235,3350 5305,3350 5375,3350 5445,3350 5655,3350 5725,3350 5795,3350 1840,3420 1910,3420 1980,3420 3170,3420 3310,3420 3520,3420 3800,3420 3940,3420 4010,3420 4080,3420 4360,3420 4430,3420 4500,3420 4640,3420 5130,3420 5200,3420 5270,3420 5340,3420 5410,3420 5690,3420 5760,3420 5830,3420 3835,3490 5655,3490 5725,3490 5795,3490 3170,3560 3310,3560 3800,3560 4990,3560 5690,3560 5760,3560 5830,3560 3835,3630 3905,3630 3975,3630 4045,3630 4115,3630 4325,3630 4395,3630 4465,3630 4675,3630 4745,3630 4815,3630 4885,3630 4955,3630 5025,3630 5095,3630 5165,3630 5235,3630 5305,3630 5375,3630 5445,3630 5515,3630 5585,3630 5655,3630 5725,3630 5795,3630 3170,3700 3310,3700 3450,3700 3660,3700 3870,3700 3940,3700 4010,3700 4080,3700 4360,3700 4430,3700 4500,3700 4710,3700 4780,3700 4850,3700 4920,3700 4990,3700 5060,3700 5130,3700 5200,3700 5270,3700 5340,3700 5410,3700 5480,3700 5550,3700 5620,3700 5690,3700 5830,3700 4465,3770 4535,3770 4605,3770 4745,3770 4815,3770 4885,3770 4955,3770 5025,3770 5095,3770 5165,3770 5235,3770 5305,3770 5375,3770 5445,3770 5515,3770 5585,3770 5655,3770 1770,3840 1840,3840 3870,3840 4780,3840 4850,3840 4920,3840 4990,3840 5060,3840 5130,3840 5200,3840 5270,3840 5340,3840 5410,3840 5480,3840 5550,3840 5620,3840
  other v2: 1386,83 1381,140 1008,144 1385,191 1012,202 1375,264 1461,715 1290,770 3125,875 4630,1130 1293,1163 4635,1175 1291,1212 495,1433 494,1477 3325,1670 4365,2284 3490,2350 4770,2360 4825,2360 4363,2430 4366,2557
J3-2: C28.1 D15.1 R60.2 | length 632.1
  Top Layer w10: R60.2@4889.06,1693.33 C28.1@4980,1693.33 4980,1645 5010,1615 5260,1615 5285,1640 D15.1@5285,1685 v2(5405,1685)
J3-3: C27.1 D14.1 R47.2 | length 826.8
  Top Layer w10: R47.2@4889.06,1770 C27.1@4980,1770 ; D14.1@5280,1262.5 5337.5,1262.5 v2(5340,1265)
  Bottom Layer w10: v2(4930,1770) 5340,1360 v2(5340,1265)
J3-4: C31.1 D17.1 P7.2 P7.4 P7.6 P7.8 P12.3 P13.3 R69.2 | length 3842.9
  Top Layer w10: R69.2@4854.06,956.11 v2(4895,956.11) C31.1@4945,956.11 ; D17.1@5280,1540 v2(5355,1540) 5403,1540 5521,1658 5588,1658 5616,1630 5616,1221 ; P13.3@5363.94,2320 5723.94,2320 P12.3@5728.94,2325 5817,2325 5849,2293 5849,1660 5814,1625 P7.8@5717.87,1625 5621,1625 ; 5618,1425 P7.6@5717.87,1425 ; P7.2@5713.94,1025 5646,1025 5616,1055 5616,1221 ; P7.4@5713.94,1225 5620,1225 5616,1221
  Bottom Layer w10: v2(4895,956.11) 5371.11,956.11 5405,990 5405,1462 5355,1512 v2(5355,1540)
J3-7: C35.1 D19.1 R75.2 | length 622.2
  Top Layer w10: R75.2@4854.06,1261.67 C35.1@4945,1261.67 4945,1221.67 4961.67,1205 5015,1205 5050,1240 5050,1310 5070,1330 5255,1330 5280,1355 D19.1@5280,1401.25
J3-8: C34.1 D18.1 R74.2 | length 817.9
  Top Layer w10: R74.2@4854.06,1322.78 C34.1@4945,1322.78 ; D18.1@5280,1123.75 5348.75,1123.75 v2(5350,1125)
  Bottom Layer w10: v2(4905,1325) 4870,1290 4870,1245 4895,1220 5310,1220 5350,1180 v2(5350,1125)
J3-9: C30.1 D16.1 P7.1 P7.3 P7.5 P7.7 P12.2 P13.2 R62.2 | length 3330.1
  Top Layer w10: R62.2@4854.06,1017.22 C30.1@4945,1017.22 ; D16.1@5280,985 v2(5355,985) 5504,985 5564,925 P7.1@5710,925 5784,925 5834,975 5834,1126 ; P13.2@5363.94,2220 5723.94,2220 P12.2@5728.94,2225 ; P7.3@5713.94,1125 5833,1125 5834,1126 ; P7.5@5713.94,1325 5833,1325 5834,1324 ; P7.7@5717.87,1525 5813,1525 5834,1504 5834,1324 ; 5834,1126 5834,1324
  Bottom Layer w10: v2(4895,1020) 4930,985 v2(5355,985) ; P7.7@5717.87,1525 5800,1525 5847,1572 5847,2197 5819,2225 P12.2@5728.94,2225
LOW: P3.3 R5.2 R7.1 TVS1.2 | length 4479
  Top Layer w10: 460,685 R5.2@480,685 ; v2(3550,725) 3550,740 3605,795 3605,920 R7.1@3600,925
  Top Layer w20: TVS1.2@415,685 v2(450,685)
  Bottom Layer w10: 313.79,663.79 275,625 275,320 310,285 ; 325,270 310,285 ; P3.3@392.52,90 392.52,202.48 ; v2(3550,725) 3550,690 3355,495 1301,495 1161,355 1135,355 680,355 555,230 420.04,230 392.52,202.48 ; 310,285 392.52,202.48
  Bottom Layer w20: 313.79,663.79 335,685 v2(450,685)
NetBEEP1_1: BEEP1.1 R56.1 R58.2 | length 355
  Top Layer w30: R56.1@4110,2890 R58.2@4175,2890 BEEP1.1@4175,3180
NetBEEP1_2: BEEP1.2 Q14.3 R58.1 | length 463.7
  Top Layer w30: R58.1@4175,2830 4190,2830 4267.24,2907.24 Q14.3@4305,2907.24 4305,3055 4375,3125 BEEP1.2@4375,3180
NetC6_2: C6.2 R24.1 U10.29 | length 3201.8
  Top Layer w10: C6.2@530,470.94 589.06,470.94 R24.1@590,470 v2(590,430) ; v2(1347,564) 1395,564 v2(1516,685) ; v2(3256,1026) 3317.83,1087.83 U10.29@3317.83,1132.76
  Bottom Layer w10: v2(590,430) 1176.5,430 1310.5,564 v2(1347,564) ; v2(1516,685) 1625,685 1657,653 2047,653 2188,794 ; 2209,815 2188,794 ; v2(3256,1026) 3189,1026 3135,972 3005,972 2902,869 2263,869 2188,794
NetC12_2: C12.2 R18.1 U10.31 | length 2834.6
  Top Layer w10: R18.1@1025,530 v2(1055,530) C12.2@1085,530 ; v2(3285,970) 3308,993 3308,1020 3357.2,1069.2 U10.31@3357.2,1132.76
  Bottom Layer w10: v2(1055,530) 1155,530 1220,595 3170,595 3260,685 3260,875 3306,921 3306,949 v2(3285,970)
NetC23_1: C23.1 U3.1 | length 283.9
  Top Layer w10: C23.1@4265.94,1755 4300,1789.06 4300,1865 4310,1875 4375,1875 4385,1865 U3.1@4451.5,1865
NetC23_2: C23.2 U3.3 | length 130.6
  Top Layer w10: C23.2@4325,1755 4365,1755 4375,1765 U3.3@4451.5,1765
NetC24_1: C24.1 U3.6 | length 126.5
  Top Layer w10: C24.1@4325,1615 U3.6@4451.5,1615
NetC25_1: C25.1 U3.2 | length 130.6
  Top Layer w10: C25.1@4325,1825 4390,1825 4400,1815 U3.2@4451.5,1815
NetC26_1: C26.1 U3.5 | length 221.5
  Top Layer w10: C26.1@4265.94,1685 4265.94,1659.06 4275,1650 4365,1650 4380,1665 U3.5@4451.5,1665
NetC26_2: C26.2 U3.4 | length 138.9
  Top Layer w10: C26.2@4325,1685 4365,1685 4395,1715 U3.4@4451.5,1715
NetC32_2: C32.2 pad.0@5767.72,137.8 R72.2 TP4.1
NetC36_1: C36.1 U10.12 Y1.2 | length 351.1
  Top Layer w10: C36.1@2930,1555 2930,1487.24 2935,1482.24 2997.76,1482.24 3030.31,1449.68 U10.12@3197.76,1449.68